# Altium PCB First_Motherboard.PcbDoc (continued)
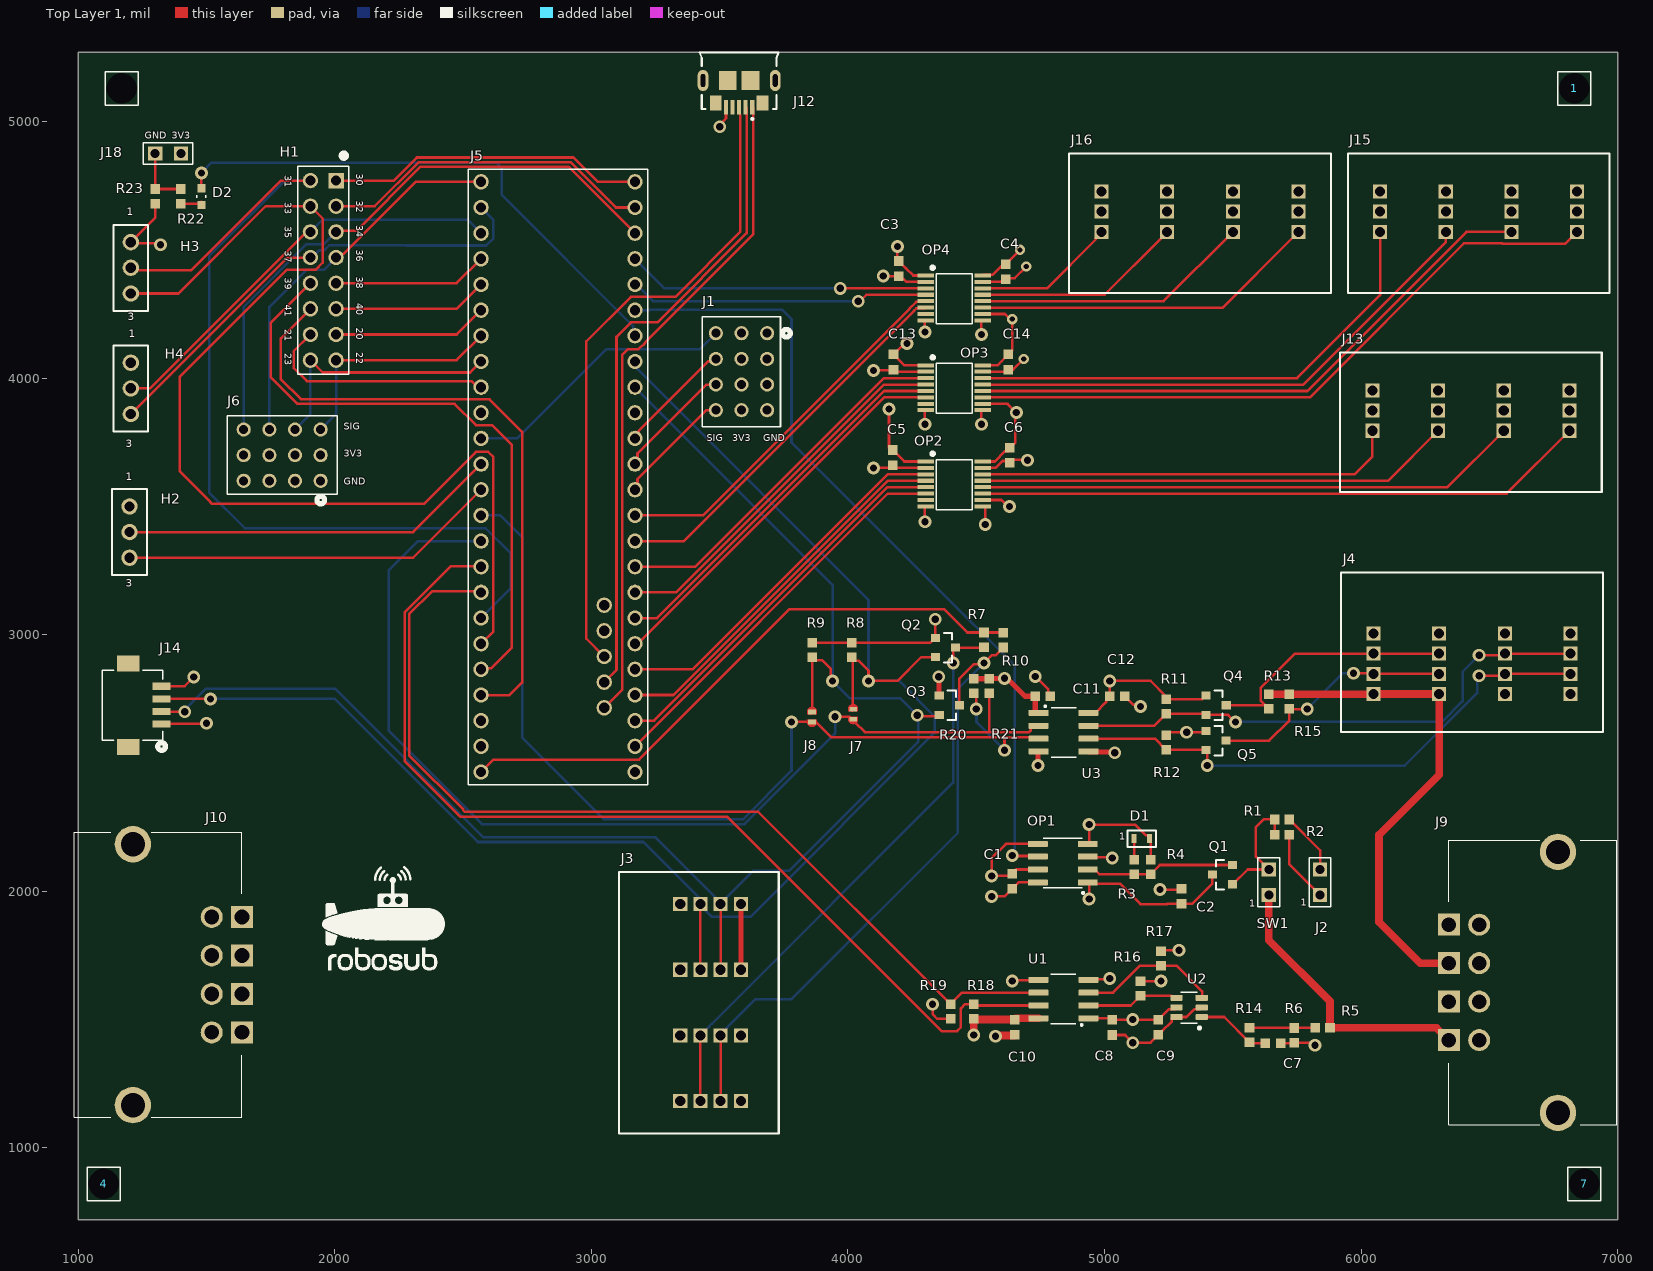
[diagram p0: Top Layer 1 view]
## Footprints (in the part's own frame and the unit in brackets; to place one, negate y for a bottom-side part, rotate by r counter-clockwise, add the part's x,y. Pads: shape width x height; smd on the part's side, far side on the other; paste and mask are expansions set on the pad) (continued)
  rect 0.9x0.8 smd: 1(-1,0.95) 2(-1,-0.95) 3(1,0)
  silkscreen extent -0.17,-1.46 0.65,1.46, body extent -0.65,-1.46 0.65,1.46, height 1.11
RESC1609X55X30NL10T20 [mm]
  rect 0.95x0.95 smd: 1(-0.725,0) 2(0.725,0)
  body extent -0.85,-0.48 0.85,0.48, height 0.55
SAMTEC-TSW-103-07-X-S [mm]
  round 1.62 hole 1.02: 1(-2.54,0) 2(0,0) 3(2.54,0)
  silkscreen extent -4.26,-1.72 4.26,1.72, body extent -3.81,-1.27 3.94,1.27, height 7.89
SOLDERJUMPER#1 [mil]
  rect 30x18 smd paste+0 mask+0: 1(0,19) 2(0,-20)
  Top Layer 1 region: -20,9 20,9 20,19 -20,19
  Top Layer 1 region: 20,-10 -20,-10 -20,-20 20,-20
  Top Layer 1 region: -3.62,33.56 -15,22.17 -15,19 20,9 8.19,25.81 8.19,31.57
  Top Layer 1 region: -15,-20 -10,-20 0,-10 10,-10 10,-26.03 12.4,-28.44 6.94,-33.9 -5.64,-33.9
  Top Layer 1 lines w10: 15,19 ccw(c0,19) 13.75,25 ccw(c0,19) 0,34 ccw(c0,19) -7.81,31.81 ccw(c0,19) -12.81,26.81 ccw(c0,19) -13.17,26.17 ccw(c0,19) -15,19 ; 15,-20 cw(c0,-20) 5,-34.14 cw(c0,-20) 2.07,-34.86 cw(c0,-20) 0,-35 cw(c0,-20) -10.6,-30.61 ; -15,-20 ccw(c0,-20) -10.61,-30.6 ; -10.61,-30.61 ccw(c0,-20) -10.6,-30.61 ; -10.61,-30.6 ccw(c0,-20) -10.61,-30.61
SOLDERJUMPER#2 [mil]
  rect 30x18 smd paste+0 mask+0: 1(0,19) 2(0,-20)
  Top Layer 1 region: -20,9 20,9 20,19 -20,19
  Top Layer 1 region: 20,-10 -20,-10 -20,-20 20,-20
  Top Layer 1 region: -3.62,33.56 -15,22.17 -15,19 20,9 8.19,25.81 8.19,31.57
  Top Layer 1 region: -15,-20 -10,-20 0,-10 10,-10 10,-26.03 12.4,-28.44 6.94,-33.9 -5.64,-33.9
  Top Layer 1 lines w10: 15,19 ccw(c0,19) 13.75,25 ccw(c0,19) 0,34 ccw(c0,19) -15,19 ; 15,-20 cw(c0,-20) 0,-35 cw(c0,-20) -10.6,-30.61 ; -15,-20 ccw(c0,-20) -10.61,-30.6 ; -10.61,-30.61 ccw(c0,-20) -10.6,-30.61 ; -10.61,-30.6 ccw(c0,-20) -10.61,-30.61
SOT95P280X145-6N [mm]
  rrect25% 1.21x0.58 smd: 1(-1.255,0.95) 2(-1.255,0) 3(-1.255,-0.95) 4(1.255,-0.95) 5(1.255,0) 6(1.255,0.95)
  silkscreen extent -1.14,-1.52 0.81,2.16, body extent -1.4,-1.45 1.4,1.45, height 1.2
Teensy4.1 [mil]
  round 60 hole 40: 1(50,-650) 2(150,-650) 3(250,-650) 4(350,-650) 5(450,-650) 6(550,-650) 7(650,-650) 8(750,-650) 9(850,-650) 10(950,-650) 11(1050,-650) 12(1150,-650) 13(1250,-650) 14(1350,-650) 15(1450,-650) 16(1550,-650) 17(1650,-650) 18(1750,-650) 19(1850,-650) 20(1950,-650) 21(2050,-650) 22(2150,-650) 23(2250,-650) 24(2350,-650) 25(2350,-50) 26(2250,-50) 27(2150,-50) 28(2050,-50) 29(1950,-50) 30(1850,-50) 31(1750,-50) 32(1650,-50) 33(1550,-50) 34(1450,-50) 35(1350,-50) 36(1250,-50) 37(1150,-50) 38(1050,-50) 39(950,-50) 40(850,-50) 41(750,-50) 42(650,-50) 43(550,-50) 44(450,-50) 45(350,-50) 46(250,-50) 47(150,-50) 48(50,-50) 49(700,-529.92) 50(600,-529.92) 51(500,-529.92) 52(400,-529.92) 53(300,-529.92)
  silkscreen extent 0,-700 2400,0, body extent -50,-700 2399,0, height 291

## Part data
C1 C2 C3 C4 C5 C6 C7 C8 C9 C10 C11 C12 C13 C14: library part VJ0603Y104KXXAC, "CAP CER 0.1UF 25V X7R 0603", Manufacturer=Vitramon, Part Number=VJ0603Y-104KXXAC, Supplier Part Number 1=720-1378-1-ND, Supplier 1=Digi-Key
D1: "Blue 470nm LED Indication - Discrete 3.3V 0603 (1608 Metric)", Supplier Part Number 1=VLMB1300-GS08CT-ND, Supplier 1=Digi-Key
D2: library part SML-D12FWT86, "LED GREEN DIFFUSED 1608 SMD", Case Code (Imperial)=0603, Case Code (Metric)=1608, Forward Voltage=2.2V, Lens Color=White, Manufacturer 1=Rohm, Supplier Part Number 1=846-1176-1-ND, Test Current=20mA, Case/Package=0603, Color=Green, ComponentLink1Description=http://www.mouser.com/ds/2/348/sml-d12y3w_fw-1018563.pdf?src-supplier=Mouser, ComponentLink1URL=http://www.mouser.com/ds/2/348/sml-d12y3w_fw-1018563.pdf?src-supplier=Mouser, ComponentLink2Description=http://www.rohm.com/web/global/datasheet/SML-D12Y3W?src-supplier=Digi-Key, ComponentLink2URL=http://www.rohm.com/web/global/datasheet/SML-D12Y3W?src-supplier=Digi-Key, ComponentLink3Description=http://rohmfs.rohm.com/en/products/databook/datasheet/opto/led/chip_mono/sml-d12.pdf?src-supplier=Avnet, ComponentLink3URL=http://rohmfs.rohm.com/en/products/databook/datasheet/opto/led/chip_mono/sml-d12.pdf?src-supplier=Avnet, ComponentLink4Description=https://www.rohm.com/datasheet/SML-D12Y3W?src-supplier=Digi-Key, ComponentLink4URL=https://www.rohm.com/datasheet/SML-D12Y3W?src-supplier=Digi-Key, Dominant Wavelength=565nm, Height=0.65mm, Lead Free="Lead Free", Length=1.6mm, Lens Style=Colored,Rectangular, Lens Transparency=Diffused, Luminous Intensity=18mcd, Manufacturer Part Number 1=SML-D12FWT86, Mount="Surface Mount", Number of LEDs=1, Number of Pins=2, Packaging="Tape and Reel", Pricing 1="1=0.50000, 10=0.35300, 100=0.20580, 500=0.14112, 1000=0.11760 (USD)", RoHS=Yes, Stock 1=10669, Supplier 1=Digi-Key, Width=0.8mm
J1 J6 J13 J15 J16: "4x3 Header Block", Supplier Part Number 1=SAM12310-ND, Supplier 1=Digi-Key, Supplier 2=Digi-Key, Supplier Part Number 2=SAM8995-ND
J2: library part 2PinHeader, Supplier Part Number 1=3M9457-36-ND, Supplier 1=Digi-Key
J3 J4: Supplier Part Number 1=952-1772-ND, Supplier 1=Digi-Key
J5: library part Teensy4.1
J7 J8: "Simple Jumper"
J9 J10: "Connector", Manufacturer_Name=Hirose, Datasheet Link=https://www.hirose.com/product/download/?distributor=digikey&type=2d&lang=en&num=FX30B-4S-3.81DS, Height=11.3mm, Manufacturer_Part_Number=FX30B-4S-3.81DS
J12: "USB - micro B USB 2.0 Receptacle Connector 5 Position Surface Mount, Right Angle; Through Hole", Package=None, Digi-Key_Part_Number=2073-USB3075-30-ACT-ND, Digi-Key_Purchase_URL=https://www.digikey.com/product-detail/en/gct/USB3075-30-A/2073-USB3075-30-ACT-ND/9859705?utm_source=snapeda&utm_medium=aggregator&utm_campaign=symbol, MF="Global Connector Technology", MP=USB3075-30-A, SnapEDA_Link=https://www.snapeda.com/parts/USB3075-30-A/Global%20Connector%20Technology/view-part/229370/?ref=snap
J14: library part DF13C-4P-1.25V(51), "Headers & Wire Housings 1.25MM V PCB HEADER 4P SMT GOLD", Contact Resistance=30mR, Current Rating=1A, Housing Color=Beige, Manufacturer 1=Hirose, Max Operating Temperature=85°C, Max Voltage Rating (AC)=150V, Min Operating Temperature=-35°C, Supplier Part Number 1=H126000CT-ND, ComponentLink1Description=https://datasheet.ciiva.com/26898/getdatasheetpartid-434101-26898082.pdf?src-supplier=Verical, ComponentLink1URL=https://datasheet.ciiva.com/26898/getdatasheetpartid-434101-26898082.pdf?src-supplier=Verical, ComponentLink2Description=https://datasheet.ciiva.com/5153/en-df13-20130411-5153743.pdf?src-supplier=Mouser, ComponentLink2URL=https://datasheet.ciiva.com/5153/en-df13-20130411-5153743.pdf?src-supplier=Mouser, Contact Gender=Male, Contact Material=Brass, Contact Plating=Gold, Depth=3.4mm, Housing Material=Polyamide, Lead Free="Lead Free", Length=9.65mm, Manufacturer Part Number 1=DF13C-4P-1.25V(51), Max Current Rating=1A, Number of Contacts=4, Number of Positions=4, Number of Rows=1, Orientation=Straight, Packaging="Tape and Reel", Pitch=1.25mm, Pricing 1="1=0.86000, 10=0.75700, 100=0.65340, 500=0.53460 (USD)", Radiation Hardening=No, RoHS=Yes, Stock 1=692, Supplier 1=Digi-Key, Termination=Solder, Voltage Rating=150V
J18: library part Start_Switch, Supplier Part Number 1=3M9457-36-ND, Supplier 1=Digi-Key
OP1: library part "ISO7310CDR - 8SOIC", "General Purpose Digital Isolator 3000Vrms 1 Channel 25Mbps 25kV/µs CMTI 8-SOIC (0.154\", 3.90mm Width)", Supplier Part Number 1=296-37994-1-ND, Supplier 1=Digi-Key
OP2 OP3 OP4: library part ISO7740DBQR, "General Purpose Digital Isolator 3000Vrms 4 Channel 100Mbps 85kV/µs CMTI 16-SSOP (0.154\", 3.90mm Width)", Supplier Part Number 1=296-48138-1-ND, Supplier 1=Digi-Key
Q1 Q2 Q3 Q4 Q5: library part BSS138LT1G, "MOSFET N-CH 50V 200MA SOT-23", Case/Package=SOT-23-3, Continuous Drain Current (ID)=200mA, Drain to Source Breakdown Voltage=50V, Drain to Source Resistance=3.5R, Gate to Source Voltage (Vgs)=20V, Input Capacitance=50pF, Manufacturer 1="ON Semiconductor", Max Operating Temperature=150°C, Max Power Dissipation=225mW, Min Operating Temperature=-55°C, Package Quantity=1, Supplier Part Number 1=BSS138LT1GOSCT-ND, Threshold Voltage=1.5V, ComponentLink1Description=https://datasheet.ciiva.com/22641/1596366-22641636.pdf?src-supplier=Element14, ComponentLink1URL=https://datasheet.ciiva.com/22641/1596366-22641636.pdf?src-supplier=Element14, ComponentLink2Description=https://datasheet.ciiva.com/936/bss138lt1-d-936801.pdf?src-supplier=Digi-Key, ComponentLink2URL=https://datasheet.ciiva.com/936/bss138lt1-d-936801.pdf?src-supplier=Digi-Key, ComponentLink3Description=https://datasheet.ciiva.com/936/bss138lt1-d-936802.pdf?src-supplier=Digi-Key, ComponentLink3URL=https://datasheet.ciiva.com/936/bss138lt1-d-936802.pdf?src-supplier=Digi-Key, ComponentLink4Description=https://datasheet.ciiva.com/936/bss138lt1-d-936803.pdf?src-supplier=Digi-Key, ComponentLink4URL=https://datasheet.ciiva.com/936/bss138lt1-d-936803.pdf?src-supplier=Digi-Key, ComponentLink5Description=https://datasheet.ciiva.com/14553/70099493-14553829.pdf?src-supplier=Allied+Electronics, ComponentLink5URL=https://datasheet.ciiva.com/14553/70099493-14553829.pdf?src-supplier=Allied+Electronics, ComponentLink6Description=https://datasheet.ciiva.com/1190/1596366-1190136.pdf?src-supplier=Element14, ComponentLink6URL=https://datasheet.ciiva.com/1190/1596366-1190136.pdf?src-supplier=Element14, ComponentLink7Description=https://datasheet.ciiva.com/1190/1596366-1190137.pdf?src-supplier=Element14, ComponentLink7URL=https://datasheet.ciiva.com/1190/1596366-1190137.pdf?src-supplier=Element14, ComponentLink8Description=https://datasheet.ciiva.com/15198/getdatasheetpartid-110266-15198908.pdf?src-supplier=Verical, ComponentLink8URL=https://datasheet.ciiva.com/15198/getdatasheetpartid-110266-15198908.pdf?src-supplier=Verical, ComponentLink9Description=https://datasheet.ciiva.com/8115/bss138lt1-d-8115358.pdf?src-supplier=Avnet, ComponentLink9URL=https://datasheet.ciiva.com/8115/bss138lt1-d-8115358.pdf?src-supplier=Avnet, ComponentLink10Description=https://datasheet.ciiva.com/8115/bss138lt1-d-8115295.pdf?src-supplier=Avnet, ComponentLink10URL=https://datasheet.ciiva.com/8115/bss138lt1-d-8115295.pdf?src-supplier=Avnet, Contact Plating=Tin,Matte, Current Rating=200mA, Element Configuration=Single, Halogen Free="Halogen Free", Height=1.01mm, Lead Free="Lead Free", Length=3.04mm, Manufacturer Part Number 1=BSS138LT1G, Nominal Vgs=1.5V, Number of Elements=1, Number of Pins=3, On-State Resistance=3.5R, Packaging="Tape and Reel", Power Dissipation=225mW, Pricing 1="1=0.26000, 10=0.21100, 100=0.11210, 500=0.07376, 1000=0.05016 (USD)", Radiation Hardening=No, Rds On Max=3.5R, REACH SVHC="No SVHC", RoHS=Yes, Stock 1=952638, Supplier 1=Digi-Key, Turn-Off Delay Time=20ns, Turn-On Delay Time=20ns, Voltage Rating (DC)=50V, Width=1.4mm
R1 R3 R22: library part TNPW0603180RBEEA, "RES 180 OHM 0.1% 1/8W 0603", Case Code (Imperial)=0603, Case Code (Metric)=1608, Max Operating Temperature=125°C, Max Power Dissipation=100mW, Min Operating Temperature=-55°C, Package Quantity=1, Resistance=1kR, Supplier Part Number 1=541-4531-1-ND, Temperature Coefficient=25ppm/°C, Tolerance=1%, Voltage Rating=75V, Case/Package=0603, ComponentLink1Description=https://datasheet.ciiva.com/2528/tnpw-e3-2528472.pdf?src-supplier=Digi-Key, ComponentLink1URL=https://datasheet.ciiva.com/2528/tnpw-e3-2528472.pdf?src-supplier=Digi-Key, ComponentLink2Description=https://datasheet.ciiva.com/2528/tnpw-e3-2528473.pdf?src-supplier=Digi-Key, ComponentLink2URL=https://datasheet.ciiva.com/2528/tnpw-e3-2528473.pdf?src-supplier=Digi-Key, ComponentLink3Description=https://datasheet.ciiva.com/9112/tnpw-e3-9112138.pdf?src-supplier=Avnet, ComponentLink3URL=https://datasheet.ciiva.com/9112/tnpw-e3-9112138.pdf?src-supplier=Avnet, ComponentLink4Description=https://datasheet.ciiva.com/16391/tnpw-e3-16391675.pdf?src-supplier=Future+Electronics, ComponentLink4URL=https://datasheet.ciiva.com/16391/tnpw-e3-16391675.pdf?src-supplier=Future+Electronics, ComponentLink5Description=https://datasheet.ciiva.com/9112/tnpw-e3-9112141.pdf?src-supplier=Avnet, ComponentLink5URL=https://datasheet.ciiva.com/9112/tnpw-e3-9112141.pdf?src-supplier=Avnet, ComponentLink6Description=https://datasheet.ciiva.com/16782/70201627-16782047.pdf?src-supplier=Allied+Electronics, ComponentLink6URL=https://datasheet.ciiva.com/16782/70201627-16782047.pdf?src-supplier=Allied+Electronics, Composition="Thin Film", Contact Plating=Tin, Depth=0.85mm, Features="Moisture Resistant,Automotive AEC-Q200,Anti-Sulfur", Height=0.45mm, Lead Free="Lead Free", Length=1.6mm, Military Standard=Not, Mount="Surface Mount", Number of Terminations=2, Packaging="Tape and Reel", Power Rating=100mW, Radiation Hardening=No, REACH SVHC=Unknown, RoHS=Yes, Supplier 1=Digi-Key, Termination=SMD/SMT, Voltage Rating (DC)=75V, Weight=7.1E-05oz, Width=0.033inch
R2 R4 R14 R16 R17 R18 R19 R23: library part TNPW06031K00BEEA, "RES 1K OHM 0.1% 1/8W 0603", Case Code (Imperial)=0603, Case Code (Metric)=1608, Max Operating Temperature=125°C, Max Power Dissipation=100mW, Min Operating Temperature=-55°C, Package Quantity=1, Resistance=1kR, Supplier Part Number 1=TNP1.00KAACT-ND, Temperature Coefficient=25ppm/°C, Tolerance=1%, Voltage Rating=75V, Case/Package=0603, ComponentLink1Description=https://datasheet.ciiva.com/2528/tnpw-e3-2528472.pdf?src-supplier=Digi-Key, ComponentLink1URL=https://datasheet.ciiva.com/2528/tnpw-e3-2528472.pdf?src-supplier=Digi-Key, ComponentLink2Description=https://datasheet.ciiva.com/2528/tnpw-e3-2528473.pdf?src-supplier=Digi-Key, ComponentLink2URL=https://datasheet.ciiva.com/2528/tnpw-e3-2528473.pdf?src-supplier=Digi-Key, ComponentLink3Description=https://datasheet.ciiva.com/9112/tnpw-e3-9112138.pdf?src-supplier=Avnet, ComponentLink3URL=https://datasheet.ciiva.com/9112/tnpw-e3-9112138.pdf?src-supplier=Avnet, ComponentLink4Description=https://datasheet.ciiva.com/16391/tnpw-e3-16391675.pdf?src-supplier=Future+Electronics, ComponentLink4URL=https://datasheet.ciiva.com/16391/tnpw-e3-16391675.pdf?src-supplier=Future+Electronics, ComponentLink5Description=https://datasheet.ciiva.com/9112/tnpw-e3-9112141.pdf?src-supplier=Avnet, ComponentLink5URL=https://datasheet.ciiva.com/9112/tnpw-e3-9112141.pdf?src-supplier=Avnet, ComponentLink6Description=https://datasheet.ciiva.com/16782/70201627-16782047.pdf?src-supplier=Allied+Electronics, ComponentLink6URL=https://datasheet.ciiva.com/16782/70201627-16782047.pdf?src-supplier=Allied+Electronics, Composition="Thin Film", Contact Plating=Tin, Depth=0.85mm, Features="Moisture Resistant,Automotive AEC-Q200,Anti-Sulfur", Height=0.45mm, Lead Free="Lead Free", Length=1.6mm, Military Standard=Not, Mount="Surface Mount", Number of Terminations=2, Packaging="Tape and Reel", Power Rating=100mW, Radiation Hardening=No, REACH SVHC=Unknown, RoHS=Yes, Supplier 1=Digi-Key, Termination=SMD/SMT, Voltage Rating (DC)=75V, Weight=7.1E-05oz, Width=0.033inch
R5: library part TNPW060347K0BEEA, "RES 47K OHM 0.1% 1/8W 0603", Case Code (Imperial)=0603, Case Code (Metric)=1608, Max Operating Temperature=125°C, Max Power Dissipation=100mW, Min Operating Temperature=-55°C, Package Quantity=1, Resistance=1kR, Supplier Part Number 1=541-2028-1-ND, Temperature Coefficient=25ppm/°C, Tolerance=1%, Voltage Rating=75V, Case/Package=0603, ComponentLink1Description=https://datasheet.ciiva.com/2528/tnpw-e3-2528472.pdf?src-supplier=Digi-Key, ComponentLink1URL=https://datasheet.ciiva.com/2528/tnpw-e3-2528472.pdf?src-supplier=Digi-Key, ComponentLink2Description=https://datasheet.ciiva.com/2528/tnpw-e3-2528473.pdf?src-supplier=Digi-Key, ComponentLink2URL=https://datasheet.ciiva.com/2528/tnpw-e3-2528473.pdf?src-supplier=Digi-Key, ComponentLink3Description=https://datasheet.ciiva.com/9112/tnpw-e3-9112138.pdf?src-supplier=Avnet, ComponentLink3URL=https://datasheet.ciiva.com/9112/tnpw-e3-9112138.pdf?src-supplier=Avnet, ComponentLink4Description=https://datasheet.ciiva.com/16391/tnpw-e3-16391675.pdf?src-supplier=Future+Electronics, ComponentLink4URL=https://datasheet.ciiva.com/16391/tnpw-e3-16391675.pdf?src-supplier=Future+Electronics, ComponentLink5Description=https://datasheet.ciiva.com/9112/tnpw-e3-9112141.pdf?src-supplier=Avnet, ComponentLink5URL=https://datasheet.ciiva.com/9112/tnpw-e3-9112141.pdf?src-supplier=Avnet, ComponentLink6Description=https://datasheet.ciiva.com/16782/70201627-16782047.pdf?src-supplier=Allied+Electronics, ComponentLink6URL=https://datasheet.ciiva.com/16782/70201627-16782047.pdf?src-supplier=Allied+Electronics, Composition="Thin Film", Contact Plating=Tin, Depth=0.85mm, Features="Moisture Resistant,Automotive AEC-Q200,Anti-Sulfur", Height=0.45mm, Lead Free="Lead Free", Length=1.6mm, Military Standard=Not, Mount="Surface Mount", Number of Terminations=2, Packaging="Tape and Reel", Power Rating=100mW, Radiation Hardening=No, REACH SVHC=Unknown, RoHS=Yes, Supplier 1=Digi-Key, Termination=SMD/SMT, Voltage Rating (DC)=75V, Weight=7.1E-05oz, Width=0.033inch
R6: library part TNPW060310K0BEEA, "RES 10K OHM 0.1% 1/8W 0603", Case Code (Imperial)=0603, Case Code (Metric)=1608, Max Operating Temperature=125°C, Max Power Dissipation=100mW, Min Operating Temperature=-55°C, Package Quantity=1, Resistance=1kR, Supplier Part Number 1=TNP10.0KAACT-ND, Temperature Coefficient=25ppm/°C, Tolerance=1%, Voltage Rating=75V, Case/Package=0603, ComponentLink1Description=https://datasheet.ciiva.com/2528/tnpw-e3-2528472.pdf?src-supplier=Digi-Key, ComponentLink1URL=https://datasheet.ciiva.com/2528/tnpw-e3-2528472.pdf?src-supplier=Digi-Key, ComponentLink2Description=https://datasheet.ciiva.com/2528/tnpw-e3-2528473.pdf?src-supplier=Digi-Key, ComponentLink2URL=https://datasheet.ciiva.com/2528/tnpw-e3-2528473.pdf?src-supplier=Digi-Key, ComponentLink3Description=https://datasheet.ciiva.com/9112/tnpw-e3-9112138.pdf?src-supplier=Avnet, ComponentLink3URL=https://datasheet.ciiva.com/9112/tnpw-e3-9112138.pdf?src-supplier=Avnet, ComponentLink4Description=https://datasheet.ciiva.com/16391/tnpw-e3-16391675.pdf?src-supplier=Future+Electronics, ComponentLink4URL=https://datasheet.ciiva.com/16391/tnpw-e3-16391675.pdf?src-supplier=Future+Electronics, ComponentLink5Description=https://datasheet.ciiva.com/9112/tnpw-e3-9112141.pdf?src-supplier=Avnet, ComponentLink5URL=https://datasheet.ciiva.com/9112/tnpw-e3-9112141.pdf?src-supplier=Avnet, ComponentLink6Description=https://datasheet.ciiva.com/16782/70201627-16782047.pdf?src-supplier=Allied+Electronics, ComponentLink6URL=https://datasheet.ciiva.com/16782/70201627-16782047.pdf?src-supplier=Allied+Electronics, Composition="Thin Film", Contact Plating=Tin, Depth=0.85mm, Features="Moisture Resistant,Automotive AEC-Q200,Anti-Sulfur", Height=0.45mm, Lead Free="Lead Free", Length=1.6mm, Military Standard=Not, Mount="Surface Mount", Number of Terminations=2, Packaging="Tape and Reel", Power Rating=100mW, Radiation Hardening=No, REACH SVHC=Unknown, RoHS=Yes, Supplier 1=Digi-Key, Termination=SMD/SMT, Voltage Rating (DC)=75V, Weight=7.1E-05oz, Width=0.033inch
R7 R8 R9 R10 R11 R12 R13 R15 R20 R21: library part TNPW06034K70BEEN, "RES 4.7K  OHM 0.1% 1/8W 0603", Case/Package=0603, Manufacturer 1=Vishay, Manufacturer Part Number 1=TNPW06032K20BYEN, Max Operating Temperature=125°C, Min Operating Temperature=-55°C, Power Rating=100mW, Resistance=2.2kR, Supplier Part Number 1=541-3689-1-ND, Temperature Coefficient=10ppm/°C, Tolerance=0.1%, ComponentLink1Description=https://datasheet.ciiva.com/11821/0900766b80d9a43d-11821758.pdf?src-supplier=RSComponents, ComponentLink1URL=https://datasheet.ciiva.com/11821/0900766b80d9a43d-11821758.pdf?src-supplier=RSComponents, ComponentLink2Description=https://datasheet.ciiva.com/17202/tnpw-e3-17202093.pdf?src-supplier=Avnet+Europe, ComponentLink2URL=https://datasheet.ciiva.com/17202/tnpw-e3-17202093.pdf?src-supplier=Avnet+Europe, Composition="Thin Film", Contact Plating=Tin, Depth=0.85mm, Height=0.45mm, Length=1.6mm, Military Standard=Not, Mount="Surface Mount", Packaging="Tape and Reel", Pricing 1="1=0.88000, 10=0.76200, 100=0.53130 (USD)", Radiation Hardening=No, RoHS=Yes, Stock 1=1000, Supplier 1=Digi-Key
SW1: Supplier Part Number 1=3M9457-36-ND, Supplier 1=Digi-Key
U1 U3: "I²C Digital Isolator 2500Vrms 2 Channel 1Mbps 25kV/µs CMTI 8-SOIC (0.154\", 3.90mm Width)", Case/Package=SOIC, Isolated Power=No, Manufacturer="Texas Instruments", Manufacturer Part Number 1=ISO1540DR, Max Operating Temperature=125°C, Max Supply Voltage=5.5V, Min Operating Temperature=-40°C, Min Supply Voltage=3V, Nominal Supply Current=3.6mA, Package Quantity=1, Supplier Part Number 1=296-34895-5-ND, Working Voltage=566V, Category="Interface ICs", Channel Type=Bidirectional, ComponentLink1Description=https://datasheet.ciiva.com/6579/iso1540-6579725.pdf?src-supplier=Digi-Key, ComponentLink1URL=https://datasheet.ciiva.com/6579/iso1540-6579725.pdf?src-supplier=Digi-Key, ComponentLink2Description=https://datasheet.ciiva.com/6579/iso1540-6579723.pdf?src-supplier=Digi-Key, ComponentLink2URL=https://datasheet.ciiva.com/6579/iso1540-6579723.pdf?src-supplier=Digi-Key, ComponentLink3Description=https://datasheet.ciiva.com/6579/iso1540-6579724.pdf?src-supplier=Digi-Key, ComponentLink3URL=https://datasheet.ciiva.com/6579/iso1540-6579724.pdf?src-supplier=Digi-Key, ComponentLink4Description=https://datasheet.ciiva.com/14196/iso1540-14196749.pdf?src-supplier=Avnet, ComponentLink4URL=https://datasheet.ciiva.com/14196/iso1540-14196749.pdf?src-supplier=Avnet, Data Rate=1Mbps, Lead Free="Lead Free", Mount="Surface Mount", Number of Channels=2, Number of Pins=8, Packaging="Tape and Reel", Pricing="1=4.51000, 10=4.04600, 25=3.82520, 100=3.14500, 250=2.82200, 500=2.72000, 1000=2.26100 (USD)", Propagation Delay=70ns, Pulse Width Distortion (PWD)=21ns, REACH SVHC="No SVHC", RoHS=Yes, Stock 1=11170, Supplier 1=Digi-Key
U2: library part ADS1000A0IDBVT, "12 Bit Analog to Digital Converter 2, 4 Input 1 Sigma-Delta 10-VSSOP", Supplier Part Number 1=296-20737-1-ND, Supplier 1=Digi-Key

## Via types
v1: diameter 50, hole 28, Top Layer 1 to Bottom Layer 1, 64 vias
v2: diameter 40, hole 20, Top Layer 1 to Bottom Layer 1, 4 vias
v3: diameter 50/50/50/50 (per signal layer), hole 28, Top Layer 1 to Bottom Layer 1, 1 vias

## Nets (pads, with @x,y where several pads share a name; then routed paths per layer and width w, separated by ;. In a path a pad name is that pad's centre, name@x,y a point inside that pad or via, vN(x,y) a via of type N, cw(c..) or ccw(c..) an arc to the next point about the centre after c; other vN are vias at no path point)
3V3: C1.1 C3.2 C5.2 C10.2 C11.2 C13.2 J1.2 J1.5 J1.8 J1.11 J3.1 J3.5 J6.2 J6.5 J6.8 J6.11 J10.B1 J14.1 J18.2 OP1.8 OP2.1 OP3.1 OP4.1 Q2.1 Q3.1 R8.2 R9.2 R18.2 R19.2 R20.2 R21.2 U1.8 U3.1 | length 2752.5
  Top Layer 1 w10: J14.1 1326.71,2653.29 1498.29,2653.29 v1(1500,2655) ; R9.2 R8.2 4319.8,2968.54 4338.66,2987.4 Q2.1 4340,2988.03 v1(4340,3060) ; C5.2@4160,3729.13 v1(4160,3880) ; C5.2 4188.7,3706.3 4220,3675 OP2.1 ; C3.2@4185,4470 C3.2@4192.4,4462.6 ; v1(4192.4,4512.6) C3.2@4192.4,4462.6 ; v1(4230,4135) 4219.88,4135 C13.2 4219.92,4050 OP3.1 ; OP4.1 4255.08,4400 4227.01,4428.07 4226.93,4428.07 C3.2@4192.4,4462.6 ; v1(4330,1560) 4330.82,1559.18 4330.82,1520 4347.91,1502.91 R19.2 ; R18.2 R18.2@4492.91,1500 ; R21.2 R21.2@4551.46,2830 ; v1(4560,1980) 4610,1980 C1.1 4665,2035 OP1.8 ; C10.2 C10.2@4655,1505 ; U3.1@4730,2701.81 4736.81,2695 U3.1 U3.1@4740,2697.76
  Top Layer 1 w20: J3.5 J3.1 ; v1(4353.85,2836.15) 4354.74,2835.26 4354.74,2760.46 Q3.1@4355.2,2760 ; R20.2 R21.2 ; R21.2@4551.46,2830 v1(4610,2830) 4620,2830 4690,2760 C11.2 U3.1@4730,2701.81
  Top Layer 1 w30: v1@4490,1450 R18.2 ; R18.2@4492.91,1500 C10.2 ; C10.2@4655,1505 U1.8
  other v1: 4490,1440
3V3T: C2.1 C4.1 C6.1 C8.2 C9.1 C12.1 C14.1 J4.1 J4.5 J9.C1 J13.2 J13.5 J13.8 J13.11 J15.2 J15.5 J15.8 J15.11 J16.2 J16.5 J16.8 J16.11 OP1.1 OP1.3 OP2.10 OP2.16 OP3.10 OP3.16 OP4.10 OP4.16 Q1.3 Q4.1 Q5.1 R11.2 R12.2 R16.2 R17.2 U1.1 U2.5 U3.8 | length 5728.2
  Top Layer 1 w10: OP2.10 4598.43,3525 4623.43,3500 v1(4630,3500) ; OP2.16 4572.48,3675 4612.83,3715.35 4626.22,3715.35 C6.1@4627.4,3716.54 ; OP3.10 4622.35,3900 v1(4656.17,3866.17) 4652.35,3862.35 4652.35,3748.61 4646.49,3742.76 4643.7,3742.76 C6.1 ; OP3.16 4583.46,4050 4599.23,4065.77 4640,4106.54 v2(4640,4230) 4631.88,4230 4611.88,4250 OP4.10 ; OP4.16 4527.81,4402.81 4563.76,4402.81 C4.1@4610,4449.06 ; C4.1 4670,4499.06 v2(4670,4500) ; OP1.1 OP1.1@4939.49,2030 ; OP1.3 4936.99,2132.5 5027.5,2132.5 v1(5030,2130) ; U1.1 5024.06,1505 C8.2 5030.94,1500 v1(5110,1500) C9.1 5250.98,1540.98 5273.58,1540.98 U2.5 ; U3.8 4964.21,2695 5006.3,2737.09 5006.3,2746.3 C12.1 v1(5020,2820) 5180,2820 R11.2@5240,2760 ; v1(4940,1970) 4940,2029.49 OP1.1@4939.49,2030 ; J16.2@4986.93,4650 J16.2 ; R16.2 v1(5220,1650) ; R17.2 5222.91,1770 v1(5290,1770) ; R12.2 5251.46,2620 5390.2,2620 Q5.1 ; R11.2 5379.8,2748.54 5393.66,2762.4 Q4.1 ; Q1.3 5420,2030 5340.94,1950.94 5245.34,1950.94 5244.39,1950 5140,1950 5060,2030 OP1.1@4939.49,2030
  Power w15: J16.2 J16.5 J16.8 J16.11 J15.2 J15.5 J15.8 J15.11
  Power w20: J13.2 J13.5 J13.8 J13.11
  other v1: 5320,2620
5V: J3.9 J3.13 J5.48 J10.C1 R7.2 R10.2 | length 2336.5
  Top Layer 1 w10: J5.48 2618.54,2513.54 3186.41,2513.54 3772.87,3100 4374.14,3100 4465.59,3008.54 R7.2 4603.54,3008.54 R10.2
5VT: J4.9 J4.13 J9.B1 R13.2 R15.2 | length 1990.9
  Top Layer 1 w10: J4.13@6047.95,2768.54 J4.13
  Top Layer 1 w30: R13.2 R15.2 J4.13@6047.95,2768.54 ; J4.13 J4.9 6304.09,2454.09 6070,2220 6070,1880 6230,1720 J9.B1 J9.B1@6339.92,1721.97
GND: 4.7 C1.2 C3.1 C5.1 C10.1 C11.1 C13.1 H2.1 H3.1 H4.1 J1.1 J1.4 J1.7 J1.10 J3.4 J3.8 J3.12 J3.16 J5.1 J5.34 J5.47 J5.49 J5.50 J6.1 J6.4 J6.7 J6.10 J10.D1 J12.5 J14.4 OP1.5 OP1.7 OP2.2 OP2.8 OP3.2 OP3.8 OP4.2 OP4.8 R23.1 U1.5 U3.4 | length 2095.5
  Top Layer 1 w10: R23.1 1300,4625 H3.1 1210,4525 1315,4525 v1(1320,4520) ; J14.4 1414.21,2799.21 v1(1450,2835) ; v1(3500,4980) 3500,4987.51 3524.53,5012.04 J12.5 ; v1(4100,3650) OP2.2 ; v1(4100,4030) 4173.94,4030 C13.1 4182.34,4028.52 4185.87,4025 OP3.2 ; v1(4137.4,4397.6) C3.1 C3.1@4204.8,4397.6 ; C13.1@4178.07,4024.25 C13.1@4179.8,4025.98 ; C3.1@4204.8,4390.2 C3.1@4204.8,4397.6 ; v1(4300,3440) 4300,3497.44 OP2.8 ; v1(4300,3820) 4300,3872.44 OP3.8 ; v1(4300,4180) 4300,4222.44 OP4.8 ; OP4.2 4227.4,4375 C3.1@4204.8,4397.6 ; v1(4640,1650) 4642.5,1652.5 4740.26,1652.5 U1.5 ; v1(4730,2837.68) 4779.84,2787.84 4779.84,2769.21 C11.1 ; OP1.7 4655.94,2085 C1.2 4630.94,2060 v1(4560,2060) 4560,2130 4615,2185 OP1.5 ; U3.4@4740,2542.24 U3.4
  Top Layer 1 w20: v1(4740,2490) U3.4@4740,2542.24
  Top Layer 1 w30: v1(4575,1435) 4577.97,1437.97 4647.03,1437.97 C10.1
GNDT: 1.7 7.7 C2.2 C4.2 C6.2 C7.1 C8.1 C9.2 C12.2 C14.2 D1.2 J2.2 J4.4 J4.8 J4.12 J4.16 J9.A1 J13.1 J13.4 J13.7 J13.10 J15.1 J15.4 J15.7 J15.10 J16.1 J16.4 J16.7 J16.10 OP1.4 OP2.9 OP2.15 OP3.9 OP3.15 OP4.9 OP4.15 R2.1 R4.1 R6.1 U1.4 U2.2 U2.6 U3.5 | length 2372.6
  Top Layer 1 w10: v1(4520,3820) 4520,3872.13 4522.87,3875 OP3.9 ; v1(4520,4170) 4520,4222.13 4522.87,4225 OP4.9 ; OP2.9 4532.13,3500 4535,3497.13 v1(4535,3430) ; OP2.15 4575,3650 4602.16,3677.16 4622.16,3677.16 4626.73,3681.73 4698.27,3681.73 v1(4700,3680) ; OP3.15 4615.51,4025 C14.2@4623.92,4033.41 ; OP4.15@4527.87,4377.87 OP4.15 4595,4375 C4.2@4610,4390 ; C4.2 4620,4390 4650,4390 v2(4695,4435) ; C14.2@4632.32,4041.82 C14.2 C14.2@4623.92,4033.41 ; v2(4685,4075) 4643.41,4033.41 C14.2@4623.92,4033.41 ; OP1.4 4940,2190.51 v1(4940,2260) 5119.53,2260 5161.81,2217.72 5169.69,2217.72 5174.53,2212.87 D1.2 5174.53,2197.13 5180,2191.65 R4.1 ; U1.4 4939.74,1657.5 5017.5,1657.5 v1(5020,1660) ; U3.5 U3.5@4939.74,2542.5 ; J16.1@4985.71,4725 J16.1 ; C8.1 5080,1440 v1(5110,1410) 5179.06,1410 C9.2 5223.7,1454.65 5224.65,1454.65 5261.18,1491.18 5261.18,1503.58 5267.6,1510 U2.6 5318.82,1510 5349.8,1540.98 5372.4,1540.98 U2.2 ; v1@5037.5,2542.5 v1(5040,2540) ; C12.2 5111.4,2727.65 5132.35,2727.65 v1(5140,2720) ; v1(5216.58,2006.58) 5296.58,2006.58 C2.2 ; C7.1@5673.07,1408.54 5738.54,1408.54 R6.1 5799.18,1410 5809.18,1400 v1(5820,1400) ; R2.1 5840,2160 J2.2
  Top Layer 1 w20: U3.5@4939.74,2542.5 v1@5037.5,2542.5
NetC7_2: C7.2 R14.2 U2.1 | length 303.2
  Top Layer 1 w10: U2.1 5466.46,1510 R14.2 5567.91,1408.54 C7.2@5640,1408.54
NetD1_A: D1.1 R3.1 | length 81.7
  Top Layer 1 w10: R3.1 5115.47,2124.02 D1.1
NetD2_A: D2.A R22.1 | length 83.1
  Top Layer 1 w10: R22.1 1472.48,4680 D2.A@1480,4687.52
NetD2_C: D2.C J5.18 | length 2125.2
  Top Layer 1 w10: D2.C v3(1480,4800)
  Bottom Layer 1 w10: v3(1480,4800) 1520,4840 2630,4840 2650,4820 2650,4715 3163.18,4201.82 3163.18,4171.82 J5.18
NetH1_1: H1.1 J5.24 | length 1241.6
  Top Layer 1 w10: H1.1 2230,4770 2320,4860 2930,4860 3025,4765 J5.24
NetH1_2: H1.2 H3.2 J5.42 | length 3855.9
  Top Layer 1 w10: H3.2@1205,4420 1440,4420 1790,4770 H1.2
  Bottom Layer 1 w10: H1.2 1805,4770 1510,4475 1510,3555 1650,3415 2587.87,3415 2685,3317.87 2685,3180 J5.42
NetH1_3: H1.3 J5.23 | length 1309.7
  Top Layer 1 w10: H1.3 2155.28,4670 2327.4,4842.13 2917.87,4842.13 3095,4665 J5.23
NetH1_4: H1.4 H3.3 J5.43 | length 4307.5
  Top Layer 1 w10: H3.3 1390,4330 1730,4670 H1.4 1952.99,4622.01 1952.99,4450.12 1924.88,4422.01 1812.01,4422.01 1395,4005 1395,3638.14 1515,3518.14 1515,3515.86 1520.86,3510 2347.13,3510 2550.12,3712.99 2597.99,3712.99 2617.99,3692.99 2617.99,3012.99 J5.43
NetH1_5: H1.5 J5.22 J6.12 | length 2336.6
  Top Layer 1 w10: H1.5 2010,4575 2085.56,4575 2334.81,4824.25 2910.47,4824.25 3169.72,4565 J5.22
  Bottom Layer 1 w10: J6.12 1645,4277.87 1889.14,4522.01 1957.01,4522.01 H1.5
NetH1_6: H1.6 H4.2 J5.27 | length 1659.5
  Top Layer 1 w10: H4.2 1280,3960 1880.43,4560.43 1895.43,4560.43 H1.6
  Bottom Layer 1 w10: H1.6 1952.99,4617.99 2517.01,4617.99 J5.27
NetH1_7: H1.7 J5.25 J6.9 | length 1504.6
  Top Layer 1 w10: H1.7 2018.53,4470 2032.85,4484.32 2034.32,4484.32 2315,4765 J5.25
  Bottom Layer 1 w10: J6.9 1745,4277.87 1889.14,4422.01 1957.01,4422.01 H1.7
NetH1_8: H1.8 H4.3 J5.26 | length 1837.4
  Top Layer 1 w10: H4.3 1205.28,3860 1815.28,4470 H1.8
  Bottom Layer 1 w10: H1.8 1911.08,4470 1939.86,4498.78 1959.06,4498.78 1978.27,4517.99 2277.71,4517.99 2278.69,4517.01 2589.88,4517.01 2617.99,4545.12 2617.99,4617.01 J5.26
NetH1_9: H1.9 J5.28 | length 604.4
  Top Layer 1 w10: H1.9 2475,4370 J5.28
NetH1_10: H1.10 J5.44 | length 2424.2
  Top Layer 1 w10: H1.10 1750,4215 1750,4005 1855,3900 2467.13,3900 2550.12,3817.01 2612.99,3817.01 2690,3740 2690,2950 2609.14,2869.14 2574.14,2869.14 J5.44
NetH1_11: H1.11 J5.29 | length 604.4
  Top Layer 1 w10: H1.11 2475,4270 J5.29
NetH1_12: H1.12 J5.45 | length 2505.1
  Top Layer 1 w10: H1.12 1790,4155 1790,3995.28 1867.4,3917.87 2474.53,3917.87 2475.4,3917.01 2602.99,3917.01 2730,3790 2730,2813.88 2679.55,2763.43 2571.57,2763.43 J5.45
NetH1_13: H1.13 J5.30 | length 604.4
  Top Layer 1 w10: H1.13 2475,4170 J5.30
NetH1_14: H1.14 J5.33 | length 918.2
  Top Layer 1 w10: H1.14 1840,4105 1840,4039.57 1890.86,3988.71 2532.76,3988.71 2556.47,3965 J5.33
NetH1_15: H1.15 J5.31 J6.3 | length 899.2
  Top Layer 1 w10: H1.15 2475,4070 J5.31
  Bottom Layer 1 w10: J6.3 2005,3860 H1.15
NetH1_16: H1.16 J5.32 J6.6 | length 997.5
  Top Layer 1 w10: H1.16 1952.99,4022.01 2527.01,4022.01 J5.32
  Bottom Layer 1 w10: J6.6 1905,3860 H1.16
NetH2_2: H2.2 J5.36 | length 1479.8
  Top Layer 1 w10: H2.2 2305,3400 J5.36
NetH2_3: H2.3 J5.37 | length 1479.8
  Top Layer 1 w10: H2.3 2305,3300 J5.37
NetJ1_3: J1.3 J5.35 | length 1084.8
  Bottom Layer 1 w10: J5.35 2710.27,3765 3058.26,4112.99 3422.99,4112.99 J1.3
NetJ1_4: J1.6 J5.14 | length 452.2
  Top Layer 1 w10: J5.14 3170,3778.53 3184.32,3792.85 3184.32,3794.32 3456.39,4066.39 3476.39,4066.39 J1.6
NetJ1_5: J1.9 J5.13 | length 462.2
  Top Layer 1 w10: J5.13@3165,3660 J5.13@3174.57,3669.57 ; J5.13@3179.57,3674.57 3179.57,3706.7 3447.87,3975 J1.9
NetJ1_6: J1.12 J5.12 | length 462.2
  Top Layer 1 w10: J5.12@3165,3560 J5.12@3174.57,3569.57 ; J5.12@3179.57,3574.57 3179.57,3606.7 3447.87,3875 J1.12
NetJ2_1: J2.1 R1.2 | length 284.7
  Top Layer 1 w10: R1.2 5720,2105 J2.1
NetJ3_2: J3.2 J3.6 J5.16 J8.2 J14.2 Q3.2 R9.1 | length 6251.6
  Top Layer 1 w10: J14.2 1325.39,2700.39 1414.61,2700.39 v1(1415,2700) ; J5.16@3165,3960 J5.16@3165.62,3959.38 ; J3.6 J3.2 ; J8.2 3870.61,2709.61 ; 3860,2714 R9.1@3860,2900 ; R9.1 R9.1@3860,2900 ; v1(3940,2820) 3932.35,2827.65 3932.35,2867.65 3900,2900 R9.1@3860,2900 ; v1(4269.72,2686.28) 4274,2682 4350.03,2682 Q3.2
  Bottom Layer 1 w10: v1(1415,2700) 1415,2706.57 1498.43,2790 2000,2790 2580,2210 3250,2210 J3.2@3505,1955 ; J5.16@3170,3963.75 3940,3193.75 v1(3940,2820) 4008.04,2751.96 4204.04,2751.96 4274,2682 4274,2584 3770,2080 3630,2080 J3.2@3505,1955 ; J3.2@3500,1950 J3.2@3505,1955
NetJ3_3: J3.3 J3.7 J5.17 J7.2 J14.3 Q2.2 R8.1 | length 6548.6
  Top Layer 1 w10: J14.3 v1(1515,2750) ; J5.17@3165,4060 J5.17@3165.62,4059.38 ; J3.7 J3.3 ; R8.1 R8.1@4017.93,2908.53 ; J7.2@4017.93,2717.07 4017.93,2724.86 R8.1@4017.93,2908.53 ; J7.2 4035,2710 ; Q2.2 4285.6,2912.6 4193,2820 v1(4080,2820) 4080,2860 4041.08,2898.92 4027.54,2898.92 R8.1@4017.93,2908.53
  Bottom Layer 1 w10: v1(1515,2750) 2000,2750 2557.87,2192.13 3202.87,2192.13 J3.3@3435,1960 ; J5.17 3179.57,4055.43 3179.57,4035.43 4080,3135 v1(4080,2820) 4200,2820 4337.86,2682.14 4337.86,2618.14 3619.72,1900 3470,1900 J3.3@3430,1940
NetJ3_10: J3.10 J3.14 Q3.3 R10.1 | length 2532
  Top Layer 1 w10: J3.14 J3.10 ; Q3.3 4434.37,2828.52 4490,2884.15 4524.15,2884.15 v1(4530,2890) 4559.68,2919.68 4574.68,2919.68 R10.1
  Bottom Layer 1 w10: J3.10@3505,1445 3640,1580 3780,1580 4427.87,2227.87 4427.87,2787.87 v1(4530,2890)
NetJ3_11: J3.11 J3.15 Q2.3 R7.1 | length 2296.4
  Top Layer 1 w10: J3.15 J3.11 ; v1(4410,2890) 4410,2940.63 Q2.3 4528.54,2950 R7.1
  Bottom Layer 1 w10: J3.11@3421.81,1435 3447.52,1460.71 3458.23,1471.42 3458.23,1473.16 3468.77,1483.7 3470.51,1483.7 4410,2423.19 v1(4410,2890)
NetJ4_2: J4.2 J4.6 Q5.2 R12.1 U3.6 | length 2137.6
  Top Layer 1 w10: U3.6 5196.46,2595 R12.1 5393.54,2551.46 Q5.2 5400,2545 v1(5400,2490) ; v1(6460,2840) 6552.48,2840 J4.6 J4.2
  Bottom Layer 1 w10: v1(5400,2490) 6170,2490 6452.35,2772.35 6452.35,2832.35 v1(6460,2840)
NetJ4_3: J4.3 J4.7 Q4.2 R11.1 U3.7 | length 2088.4
  Top Layer 1 w10: U3.7 5193.54,2645 R11.1 5391.77,2691.46 Q4.2 5481.03,2687.6 5508.63,2660 v1(5510,2660) ; v1(6460,2920) 6553.74,2920 J4.7 J4.3
  Bottom Layer 1 w10: v1(5510,2660) 6314.72,2660 6395.71,2740.98 6395.71,2855.71 v1(6460,2920)
NetJ4_10: J4.10 J4.14 Q5.3 R15.1 | length 968
  Top Layer 1 w10: Q5.3 5641.4,2587.4 5720,2666 R15.1 5721.46,2710 v1(5790,2710) ; v1(5970,2850) 6045.71,2850 J4.14 J4.10
  Bottom Layer 1 w10: v1(5790,2710) 5930,2850 v1(5970,2850)
NetJ4_11: J4.11 J4.15 Q4.3 R13.1 | length 997.3
  Top Layer 1 w10: Q4.3 R13.1@5626.46,2725 ; R13.1 R13.1@5626.46,2725 ; J4.11 J4.15 5742.11,2926.26 5608.43,2792.58 5608.43,2743.03 R13.1@5626.46,2725
NetJ5_2: J5.2 OP2.6 | length 1540.6
  Top Layer 1 w10: J5.2 4155,3550 OP2.6
NetJ5_3: J5.3 OP2.5 | length 1509.5
  Top Layer 1 w10: J5.3 3244.72,2665 4154.72,3575 OP2.5
NetJ5_4: J5.4 OP2.4 | length 1478.4
  Top Layer 1 w10: J5.4 3319.44,2765 4154.44,3600 OP2.4
NetJ5_5: J5.5 OP2.3 | length 1447.4
  Top Layer 1 w10: J5.5 3394.17,2865 4154.17,3625 OP2.3
NetJ5_6: J5.6 OP3.6 | length 1530.2
  Top Layer 1 w10: J5.6 3180.83,2965 4140.83,3925 OP3.6
NetJ5_7: J5.7 OP3.5 | length 1499.1
  Top Layer 1 w10: J5.7 3255.56,3065 4140.56,3950 OP3.5
NetJ5_8: J5.8 OP3.4 | length 1468.1
  Top Layer 1 w10: J5.8 3330.28,3165 4140.28,3975 OP3.4
NetJ5_9: J5.9 OP3.3 | length 1437
  Top Layer 1 w10: J5.9 3405,3265 4140,4000 OP3.3
NetJ5_10: J5.10 OP4.6 | length 1510.2
  Top Layer 1 w10: J5.10 3360.28,3365 4257.2,4261.93 4257.2,4263.21 4266.12,4272.13 4299.69,4272.13 OP4.6
NetJ5_11: J5.11 OP4.5 | length 1479.2
  Top Layer 1 w10: J5.11 3435,3465 4239.33,4269.33 4239.33,4270.61 4264.47,4295.75 4265.75,4295.75 4267.13,4297.13 4299.69,4297.13 OP4.5
NetJ5_19: J5.19 OP1.6 | length 3181.8
  Top Layer 1 w10: v1(4640,2140) 4642.5,2137.5 4737.5,2137.5 OP1.6
  Bottom Layer 1 w10: J5.19 3223.19,4265 3224.05,4265.86 3744.14,4265.86 3780,4230 3780,3750 4340,3190 4650,2880 4650,2165.86 4647.65,2163.51 4647.65,2147.65 v1(4640,2140)
NetJ5_20: J5.20 OP4.4 | length 1183.4
  Top Layer 1 w10: J5.20 J5.20@3183.53,4365 ; v1(4040,4300) 4046.57,4300 4071.57,4325 OP4.4
  Bottom Layer 1 w10: J5.20 3175,4365 3240,4300 v1(4040,4300)
NetJ5_21: J5.21 OP4.3 | length 1180.2
  Top Layer 1 w10: v1(3970,4350) OP4.3
  Bottom Layer 1 w10: J5.21 3285,4350 v1(3970,4350)
NetJ5_38: J5.38 J8.1 R20.1 U3.3 | length 3737.3
  Top Layer 1 w10: v1(3780,2660) 3845,2660 J8.1 3875,2660 3935,2600 4610,2600 ; R20.1 4500,2761.46 v1(4500,2710) ; v1(4610,2550) 4610,2600 ; U3.3 4737.76,2600 4610,2600
  Bottom Layer 1 w10: J5.38 2645,3465 2730,3380 2730,2600 3050,2280 3590,2280 3780,2470 v1(3780,2660) ; v1(4500,2710) 4500.82,2709.18 4500.82,2659.18 v1(4610,2550)
NetJ5_39: J5.39 J7.1 R21.1 U3.2 | length 4131
  Top Layer 1 w10: v1(3950,2680) 4006,2680 4027.81,2658.19 4066,2620 4550,2620 ; J7.1@4015,2676 J7.1 ; J7.1@4020,2676 J7.1@4022.5,2673.5 ; R21.1 4550,2620 ; U3.2 4735.94,2638.19 4711.82,2638.19 4711.82,2625.86 4705.97,2620 4550,2620
  Bottom Layer 1 w10: J5.39 2325,3365 2210,3250 2210,2625.86 2573.73,2262.13 3597.4,2262.13 3950,2614.72 v1(3950,2680)
NetJ5_40: J5.40 R18.1 U1.7 | length 3948.5
  Top Layer 1 w10: J5.40 2567.5,3267.5 2452.22,3267.5 2272.13,3087.4 2272.13,2507.87 2490,2290 3530,2290 4365,1455 4425,1455 4440.17,1470.17 4440.17,1543.87 4456.3,1560 R18.1 4495,1555 U1.7
NetJ5_41: J5.41 R19.1 U1.6 | length 3742.9
  Top Layer 1 w10: J5.41@2570,3170 2380,3170 2290,3080 2290,2530 2500,2320 2500,2315.86 2505.86,2310 3650,2310 R19.1 4445,1605 U1.6
NetJ5_51: J5.51 J12.3 | length 2521.2
  Top Layer 1 w10: J5.51 2980,2984.92 2980,4142.87 3154.14,4317.01 3327.01,4317.01 3580,4570 3580,5027.25 3578.58,5028.67 3578.58,5052.8 J12.3
NetJ5_52: J5.52 J12.2 | length 2530.8
  Top Layer 1 w10: J5.52 3097.91,2862.99 3097.91,4160.78 3154.14,4217.01 3257.01,4217.01 3604.88,4564.88 J12.2@3604.88,5055.67
NetJ5_53: J5.53 J12.1 | length 2605
  Top Layer 1 w10: J5.53 3120,2785.08 3120,4090 3142.99,4112.99 3182.99,4112.99 3192.73,4122.73 ccw(c3170,4165) 3212.27,4142.27 3630.47,4560.47 J12.1@3630.47,5055.67
NetJ18_1: J18.1 R22.2 R23.2 | length 239.1
  Top Layer 1 w10: J18.1 R23.2 1397.09,4737.09 1398.54,4738.54 R22.2
NetOP1_6: OP1.2 Q1.2 R3.2 R4.2 | length 586.8
  Top Layer 1 w10: OP1.2 4961.46,2085 4980,2066.46 R3.2 R4.2 5215.94,2102.4 Q1.2
NetQ1_1: Q1.1 R1.1 R2.2 SW1.2 | length 502.3
  Top Layer 1 w10: Q1.1 5500.71,2027.6 5558.11,2085 SW1.2 5590,2135 5590,2250 5620,2280 R2.2@5660,2280 ; R1.1@5656.46,2226.46 R1.1 R2.2
NetR5_1: R5.1 R6.2 R14.1 | length 259.7
  Top Layer 1 w10: R14.1@5566.46,1467.09 R14.1 5738.54,1468.54 R6.2 5741.46,1468.54 R5.1
NetR16_1: R16.1 U1.2 U2.4 | length 361.8
  Top Layer 1 w10: U1.2 5102.09,1555 R16.1 5259.49,1592.91 5267.6,1584.8 U2.4
NetR17_1: R17.1 U1.3 U2.3 | length 553.4
  Top Layer 1 w10: U1.3 5033.01,1605 5138.01,1710 R17.1 5280,1710 5380,1610 5380,1585.98 U2.3
PWMO1: J13.3 OP2.14 | length 1648.6
  Top Layer 1 w10: OP2.14 5975,3625 6044.09,3694.09 J13.3
PWMO2: J13.6 OP2.13 | length 1855.8
  Top Layer 1 w10: OP2.13 6105,3600 J13.6
PWMO3: J13.9 OP2.12 | length 2122
  Top Layer 1 w10: OP2.12 6335.91,3575 J13.9
PWMO4: J13.12 OP2.11 | length 2388.3
  Top Layer 1 w10: OP2.11 6566.81,3550 J13.12
PWMO5: J15.3 OP3.14 | length 1929.2
  Top Layer 1 w10: OP3.14 5750,4000 6074.09,4324.09 J15.3
PWMO6: J15.6 OP3.13 | length 2074.9
  Top Layer 1 w10: OP3.13 5775,3975 6330,4530 J15.6
PWMO7: J15.9 OP3.12 | length 2317.7
  Top Layer 1 w10: OP3.12 5790.48,3950 6410.48,4570 J15.9
PWMO8: J15.12 OP3.11 | length 2584.4
  Top Layer 1 w10: OP3.11 5800,3925 6400,4525 6550.42,4525 6550.93,4524.49 6796.3,4524.49 J15.12
PWMO9: J16.3 OP4.14 | length 558.3
  Top Layer 1 w10: OP4.14 4775,4350 4965.67,4540.67 4965.67,4547.48 J16.3
PWMO10: J16.6 OP4.13 | length 821.1
  Top Layer 1 w10: OP4.13 5000,4325 5221.57,4546.57 5221.57,4547.48 J16.6
PWMO11: J16.9 OP4.12 | length 1086.8
  Top Layer 1 w10: OP4.12 5230,4300 J16.9
PWMO12: J16.12 OP4.11 | length 1353.1
  Top Layer 1 w10: OP4.11 5460.91,4275 5733.39,4547.48 J16.12
VBAT: J9.D1 R5.2 SW1.1 | length 1098.7
  Top Layer 1 w30: SW1.1 5640,1810 5878.54,1571.46 R5.2 6293.35,1468.54 J9.D1
pads on no net: ?.7 J5.15 J5.46 J9.A2 J9.B2 J9.C2 J9.D2 J9.MH1 J9.MH2 J10.A1 J10.A2 J10.B2 J10.C2 J10.D2 J10.MH1 J10.MH2 J12.4 J12.S1 J12.S2 J12.S3 J12.S4 J12.S5 J12.S6 J14.5 J14.6 OP2.7 OP3.7 OP4.7

## Polygon pours and split planes (outlines as drawn)
5V on Power "5V_L03_P000" (solid, pour order 0): 1580,1820 1880,1820 2510,2450 2510,2520 2650,2520 2650,1650 3640,1490 3640,1080 2465,1120 1767.74,1680 1580,1680
3V3T on Power "3V3T_L03_P001" (solid, pour order 1): 4425,5270 7000,5270 7000,720 4850,720 4850,2850 4425,3275
3V3 on Power "3V3_L03_P017" (solid, pour order 17): 4825,720 4825,2825 4400,3250 4400,5270 1000,5270 1000,720
no net on Power "NONET_L03_P009" (solid, pour order 9): 4425,5270 7000,5270 7000,720 4850,720 4850,2850 4425,3275
GND on Ground "GND_L02_P002" (solid, pour order 2): 1000,5270 4400,5270 4400,3250 4825,2825 4825,720 1000,720
GNDT on Ground "GNDT_L02_P004" (solid, pour order 4): 4425,5270 7000,5270 7000,720 4850,720 4850,2850 4425,3275

## Silkscreen, mask and mechanical layers (free items; w line width, h text height)
Top Overlay:
  drawing of 17 lines, arcs and shapes, not listed
  text "3V3" at 1363.94,4933.94 h27.56
  text "SIG" at 2033.94,3798.94 h27.56
  text "SIG" at 3448.94,3753.94 h27.56
  text "3V3" at 3548.94,3753.94 h27.56
  text "GND" at 3668.94,3753.94 h27.56
  text "3V3" at 2033.94,3693.94 h27.56
  text "GND" at 2033.94,3583.94 h27.56

## Text inside footprints (layer, text, board x,y; h text height)
D1: Top Overlay "1" at 5056.94,2200.94 h27.56
H1: Top Overlay "23" at 1803.94,4096.06 h27.56 r270; Top Overlay "21" at 1803.94,4191.06 h27.56 r270; Top Overlay "41" at 1803.94,4286.06 h27.56 r270; Top Overlay "39" at 1803.94,4391.06 h27.56 r270; Top Overlay "37" at 1803.94,4496.06 h27.56 r270; Top Overlay "35" at 1803.94,4591.06 h27.56 r270; Top Overlay "33" at 1803.94,4686.06 h27.56 r270; Top Overlay "31" at 1803.94,4791.06 h27.56 r270; Top Overlay "22" at 2083.94,4101.06 h27.56 r270; Top Overlay "20" at 2083.94,4196.06 h27.56 r270; Top Overlay "40" at 2083.94,4291.06 h27.56 r270; Top Overlay "38" at 2083.94,4396.06 h27.56 r270; Top Overlay "36" at 2083.94,4501.06 h27.56 r270; Top Overlay "34" at 2083.94,4596.06 h27.56 r270; Top Overlay "32" at 2083.94,4691.06 h27.56 r270; Top Overlay "30" at 2083.94,4796.06 h27.56 r270
H2: Top Overlay "3" at 1186,3178 h50; Top Overlay "1" at 1185,3592 h50; Mechanical 16 "3" at 1175,3218.86 h77.5 r270; Mechanical 16 "1" at 1175,3621.65 h77.5 r270
H3: Top Overlay "1" at 1190,4625 h50; Top Overlay "3" at 1193,4215 h50; Mechanical 16 "1" at 1180,4651.65 h77.5 r270; Mechanical 16 "3" at 1180,4248.86 h77.5 r270
H4: Top Overlay "3" at 1185,3720 h50; Top Overlay "1" at 1196,4150 h50; Mechanical 16 "3" at 1180,3778.86 h77.5 r270; Mechanical 16 "1" at 1180,4181.65 h77.5 r270
J2: Top Overlay "1" at 5763.94,1943.94 h27.56
J18: Top Overlay "GND" at 1258.94,4933.94 h27.56
SW1: Top Overlay "1" at 5563.94,1938.94 h27.56